# Altium PCB STM32F407开发板.PcbDoc (part 1 of 3) (continued)
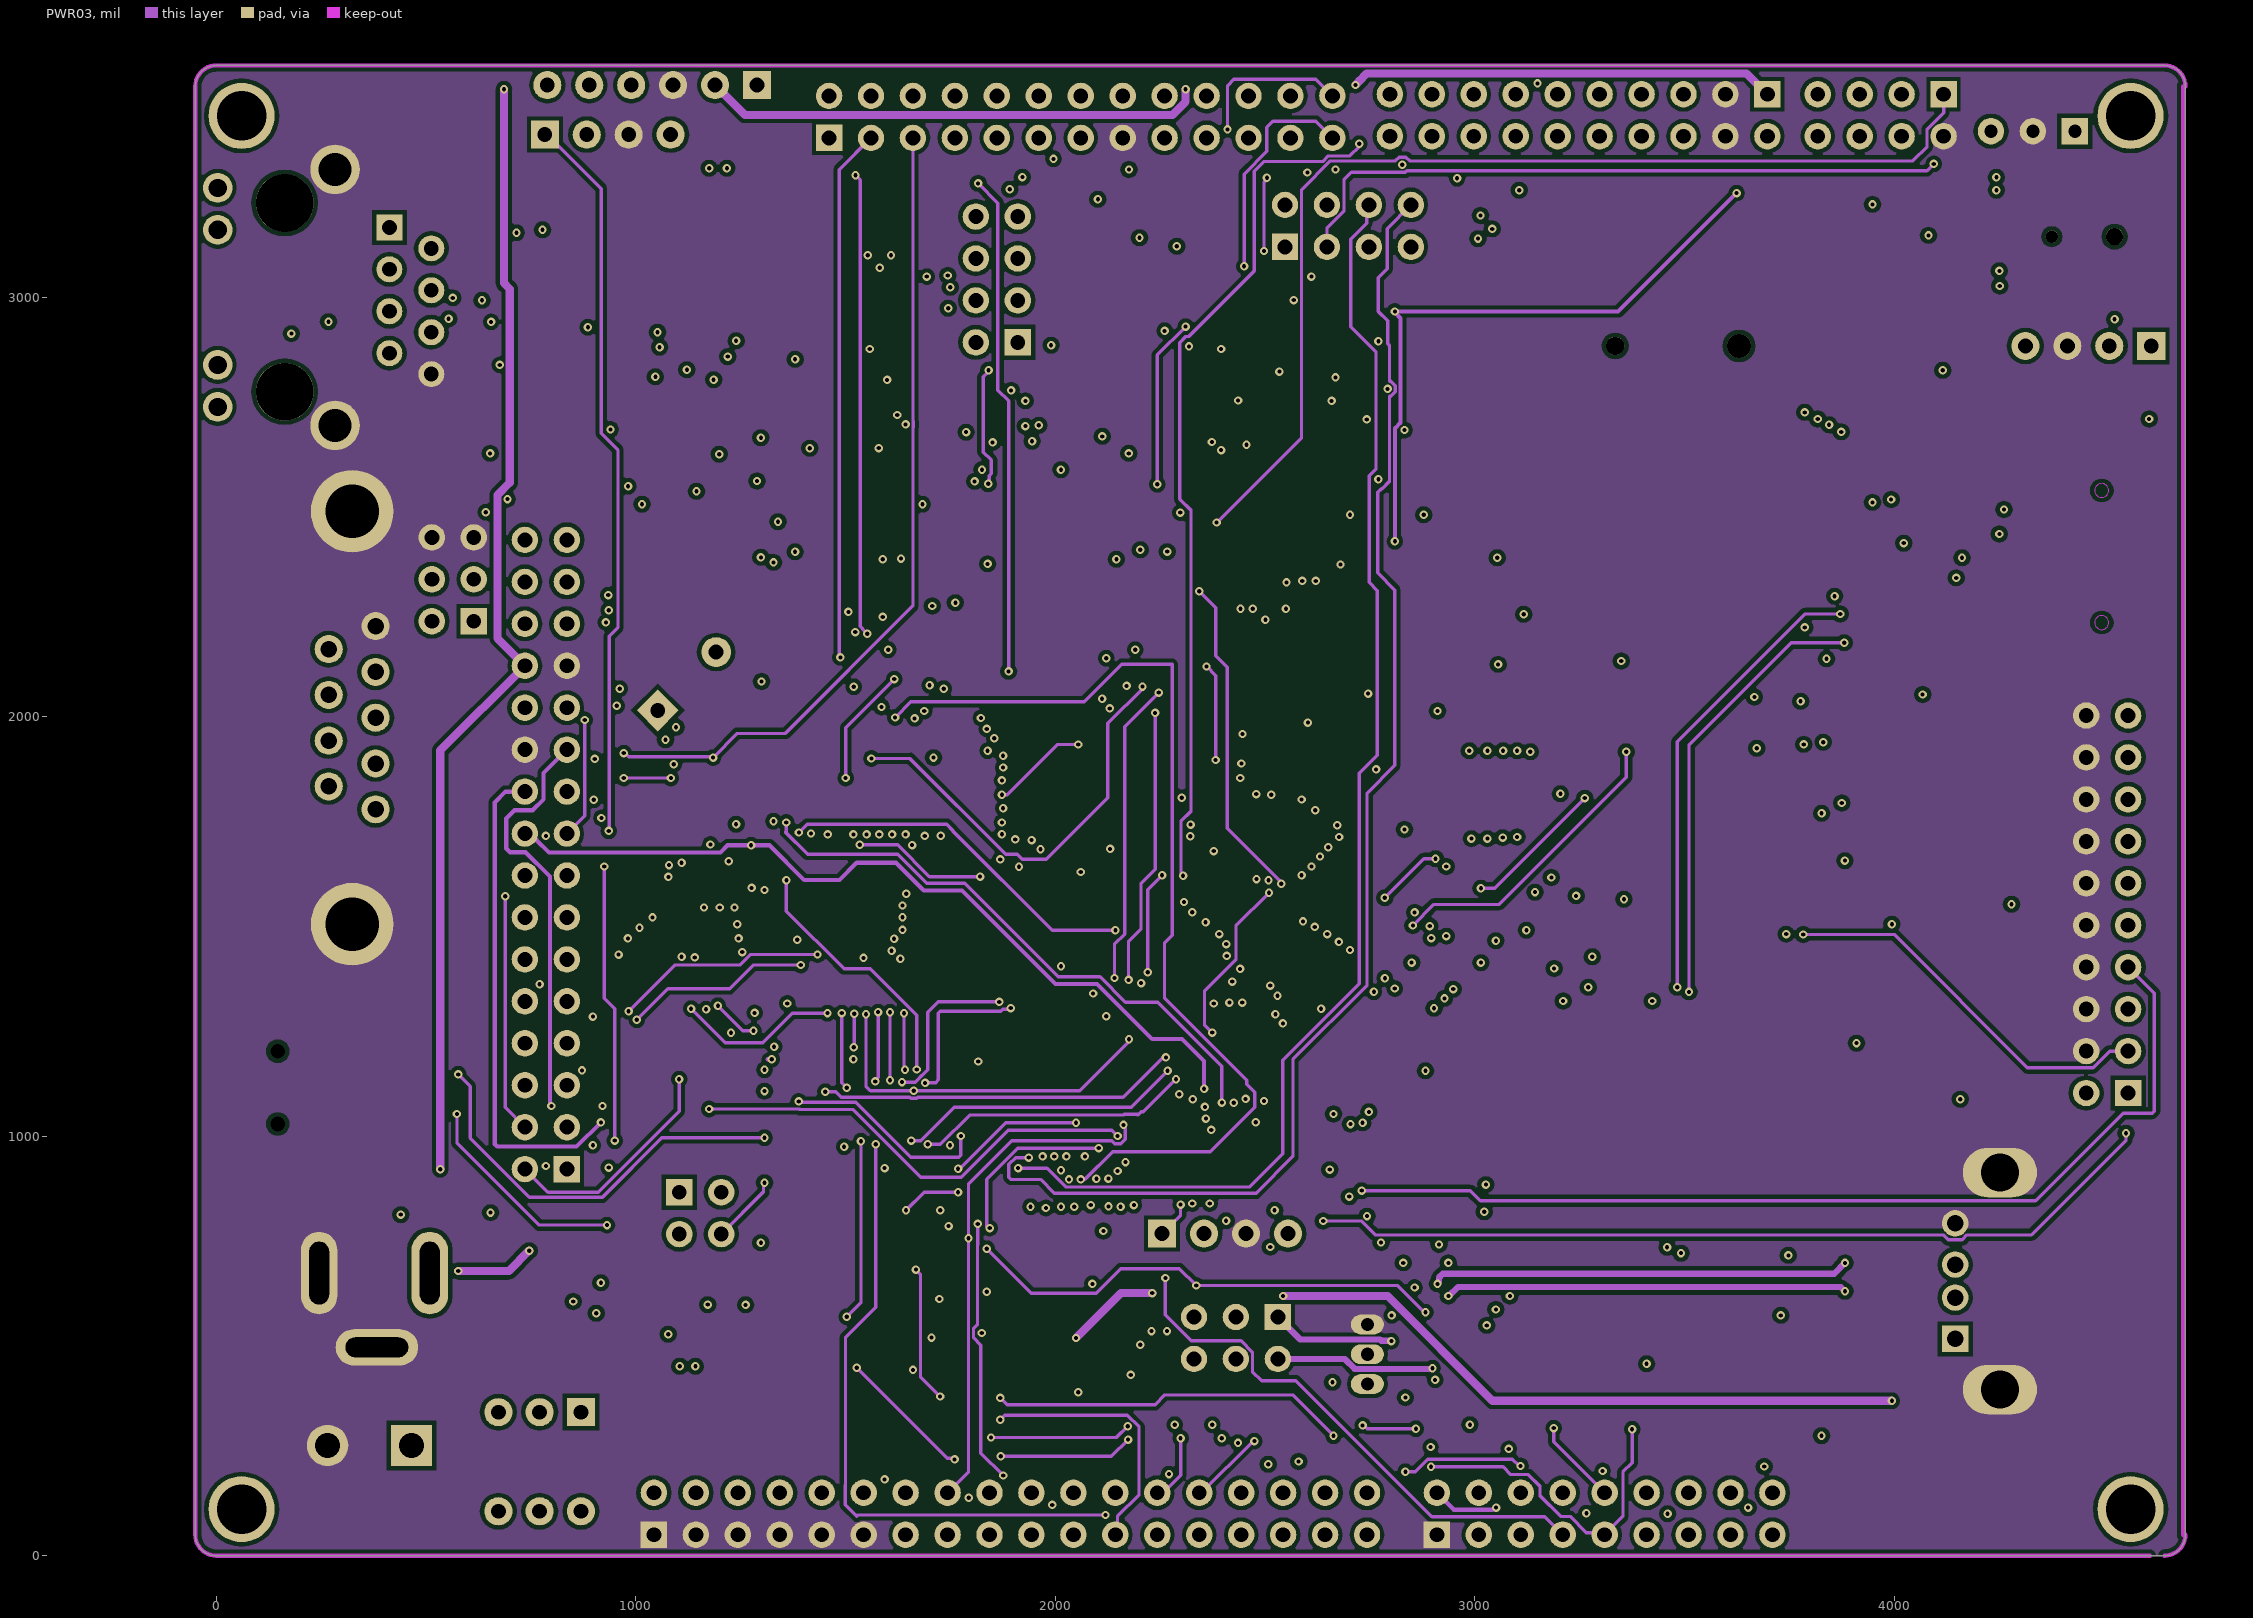
[diagram p3: PWR03]

## Layer stack, top to bottom
Top Solder: solder mask 0.4, Solder Resist, Dk 3.5
Top Layer: signal copper 1.4
Dielectric1: core 10, FR-4, Dk 4.2
GND02: plane copper 1.417, net (Multiple Nets)
Dielectric6: prepreg 5, Dk 4.2
PWR03: signal copper 1.378
Dielectric2: core 10, Dk 4.2
Bottom Layer: signal copper 1.4
Bottom Solder: solder mask 0.4, Solder Resist, Dk 3.5

## Board outline
-50,50 -50,3502.76 cw(c0,3502.76) 0,3552.76 4644.49,3552.76 cw(c4644.49,3502.76) 4694.49,3502.76 4694.49,50 cw(c4644.49,50) 4644.49,0 0,0 cw(c0,50)

## Design rules (kind name [scope] priority, off if disabled: settings)
Clearance Clearance_Inpoly [InPolygon] p1: gap=10 ignorepadtopadclearanceinfootprint=FALSE except(0: Arc-Hole Track-Hole SMDPad-Hole THPad-Hole Via-Hole Fill-Hole Poly-Hole Region-Hole Text-Hole)
Clearance [All] p2: gap=8 ignorepadtopadclearanceinfootprint=FALSE except(0: Arc-Hole Track-Hole SMDPad-Hole THPad-Hole Via-Hole Fill-Hole Poly-Hole Region-Hole Text-Hole; 3.94: Arc-Arc Arc-Track Arc-SMDPad Arc-THPad Arc-Via Arc-Fill Arc-Poly Arc-Region Track-Track Track-SMDPad Track-THPad Track-Via Track-Fill Track-Poly Track-Region)
ComponentClearance [All] p1: gap=10 collisioncheckmode=3 verticalgap=0 showdistances=FALSE
DiffPairsRouting DiffPair_90OMDiffPairsRouting [InDifferentialPairClass('90OM')] p1: maxlimit=10 minlimit=10 mostfreqgap=10 toplayer_minwidth=15 toplayer_maxwidth=15 toplayer_prefwidth=15 midlayer1_minwidth=15 midlayer1_maxwidth=15 midlayer1_prefwidth=15 bottomlayer_minwidth=15 bottomlayer_maxwidth=15 bottomlayer_prefwidth=15 maxuncoupledlength=500
MatchedLengths DiffPair_90OMMatchedLengths [InDifferentialPairClass('90OM')] p1: tolerance=1000 checknetsindiffpair=FALSE checkdiffpairvsdiffpair=TRUE checkxsignals=TRUE checkothers=TRUE usedelayunits=FALSE
PlaneClearance [All] p1: clearance=10
PlaneConnect [All] p1: planeconnectstyle=Direct reliefexpansion=20 reliefentries=4 reliefconductorwidth=10 reliefairgap=10
PolygonConnect [All] p1: connectstyle=Direct reliefconductorwidth=10 reliefentries=4 polygonreliefangle="90 Angle" airgapwidth=10
RoutingVias [All] p1: holewidth=10 width=20 viastyle="Through Hole" minholewidth=10 minwidth=20 maxholewidth=12 maxwidth=25
SilkToSilkClearance [All] p1: silktosilkclearance=0
SilkToSolderMaskClearance [IsPad] p1: minsilkscreentomaskgap=0 clearancetoexposedcopper=TRUE
SolderMaskExpansion [All] p1: expansion=4
Width Width_PWR [InNetClass('PWR')] p1: maxlimit=50 minlimit=3.94 preferedwidth=10
Width [All] p2: maxlimit=100 minlimit=3.94 preferedwidth=8
24 further rules are at their usual default settings.

## Classes and differential pairs
component class STM32F407开发板1: C1 C2 C3 C4 C5 C6 C7 C8 C9 C10 C11 C12 C13 C14 C15 C16 CR1 J1 JP1 R1 R2 R3 R4 R5 R6 R7 R8 R9 R10 R11 R12 U1 VD1 VD2 X1 X2
component class STM32F407开发板2: C17 C18 C19 C20 C21 C22 C23 C24 C25 C26 C27 C28 C29 C30 C31 C32 C33 C34 C35 C36 C37 C38 C39 C40 C41 C42 C43 C44 C45 C46 C47 C48 C49 C50 C51 C52 CON1 DZ1 E1 E2 F1 F2 IC1 IC2 IC3 J2 J3 J4 JP2 L1 L2 L3 LED1 R13 R14 R15 R16 R17 R18 R19 R20 R21 R22 R23 R24 R25 R26 R27 R28 R29 R30 R31 R32 R33 R34 R35 R36 R37 R38 R39 R40 R41 R42 R43 R44 R45 R46 R47 R48 S1 U2 U3 U4 U5 U6 USB1 V1 VD3 VD4 Y1
component class STM32F407开发板3: C53 C54 C55 C56 C57 C58 IC4 J5 J6 JP3 JP4 JP5 JP6 JP7 JP8 JP9 JP10 JP11 JP12 JP13 JP14 JP15 K1 LED2 LED3 LED4 P1 Q1 R49 R50 R51 R52 R53 R54 R55 R56 R57 R58 R59 R60 R61 R62 R63 R64 R65 R66 U7
net class PWR: GND VBAT VCC3.3 VCC3.3E VCC5 VDDA
differential pair class 90OM: D_HS_D D_USB_D D_USB_D1 D_USB_HS_D

## Components (designator, comment, footprint, x,y, rotation, side; value= is the part's Value field where it differs from the comment)
B1 "BEEP" "BEEP 5x9x5.5" 1122.28,2084.59 r135 bottom
C1 "6P" "C 0603" 2323.88,2384.07 r270 bottom
C2 "6P" "C 0603" 2336.26,2216.04 r270 bottom
C3 "20P" "C 0603" 2461,2561 r270 bottom
C4 "20P" "C 0603" 2881.75,2648.69 r270 bottom
C5 "225" "C 0603" 1420.03,1178.08 r0 top
C6 "225" "C 0603" 4147.01,1355.51 r135 bottom
C7 "106" "C 0603" 2230.5,2271.9 r180 top
C8 "104" "C 0603" 2215.31,2201.89 r180 top
C9 "104" "C 0603" 2942.08,2468.49 r225 bottom
C10 "104" "C 0603" 3910.98,1053.33 r90 top
C11 "104" "C 0603" 1754.11,2390.87 r315 bottom
C12 "104" "C 0603" 2940.67,2182.15 r225 bottom
C13 "104" "C 0603" 2962.94,2620.69 r270 bottom
C14 "104" "C 0603" 2926.89,2326.02 r45 bottom
C15 "104" "C 0603" 4102,1514 r180 top
C16 "104" "C 0603" 4075,3100 r180 top
C17 "104" "C 0603" 4259,1034 r0 top
C18 "103" "C 0603" 1014.52,569.5 r0 bottom
C19 "104" "C 0603" 3988,436.82 r0 top
C20 "104" "C 0603" 1215.57,289 r0 top
C21 "106" "C 0603" 1218.08,392.4 r0 top
C22 "104" "C 0603" 4051,1053.33 r90 top
C23 "104" "C 0603" 4357.4,213.75 r0 top
C24 "104" "C 0603" 4121.01,1056.33 r90 top
C25 "104" "C 0603" 3559.93,1049.33 r90 top
C26 "104" "C 0603" 1422.99,1932.95 r180 top
C27 "106" "C 0603" 3629.94,1048.33 r270 top
C28 "104" "C 0603" 3700.95,1047.33 r270 top
C29 "104" "C 0603" 3770.96,1051.33 r270 top
C30 "104" "C 0603" 3840.97,1049.33 r270 top
C31 "106" "C 0603" 1567.99,3154.06 r180 top
C32 "104" "C 0603" 1569.1,3230 r180 top
C33 "104" "C 0603" 1457.99,886.31 r90 bottom
C34 "104" "C 0603" 1382.22,893.8 r270 bottom
C35 "104" "C 0603" 2088.76,328.5 r180 bottom
C36 "104" "C 0603" 1414,772.05 r180 top
C37 "104" "C 0603" 1404.72,344 r180 top
C38 "104" "C 0603" 1417.49,2353.72 r0 top
C39 "104" "C 0603" 1419.99,2283.71 r0 top
C40 "104" "C 0603" 1423.99,2213.7 r0 top
C41 "104" "C 0603" 1417.18,2143.69 r0 top
C42 "104" "C 0603" 1410.22,698.31 r0 top
C43 "104" "C 0603" 1652.93,2623 r270 top
C44 "106" "C 0603" 1734.55,2623 r270 top
C45 "104" "C 0603" 1410.22,613 r180 top
C46 "104" "C 0603" 1417.99,2073.68 r0 top
C47 "106" "C 0603" 1420.14,2003.67 r0 top
C48 "106" "C 0603" 1197.87,2487.01 r0 top
C49 "104" "C 0603" 1194.87,2413.01 r0 top
C50 "104" "C 0603" 1194.87,2336.5 r0 top
C51 "104" "C 0603" 1191.88,2256.01 r0 top
C52 "104" "C 0603" 1413.72,488 r0 top
C53 "104" "C 0603" 589,3496.79 r0 top
C54 "104" "C 0603" 2171,1629.89 r0 bottom
C55 "104" "C 0603" 3980.99,1051.33 r270 top
C56 "104" "C 0603" 2596.76,1736.33 r0 bottom
C57 "104" "C 0603" 2802,2318 r270 top
C58 "104" "C 0603" 4005.63,520.62 r180 top
CON1 "3.5*1.3" DC_5.5MM -50,851 r0 top
CR1 "Battery" CR1220_A 3477,2884 r0 top
DZ1 "5.0V" "MINI_MELF (LL34)" 686,705.72 r90 bottom
E1 "220uF/16V" "CM D(6.3*7.7)" 4071.9,187.95 r0 top
E2 "10UF/16V" "C 1206" 4246,1190.02 r180 top
F1 "1A" "L 1206" 627.11,238.02 r0 bottom
F2 "1A" "L 1206" 502,1262 r180 top
IC1 "W25Qxx" SOP8W_L 3858.09,1724 r90 top
IC2 "24Cxx" SOP8_L 3704.99,540.31 r90 top
IC3 "MAX232" SOP16_L 1687,531 r0 top
IC4 "DS18B20" TO92A 2744.33,480.31 r180 top
J1 "JATG" HDR-10X2 4558,1103 r90 top
J2 "TFTLCD" HDR-16X2 836,921.58 r90 top
J3 "RJ45" HR911105A 258.1,2999.84 r270 top
J4 "DB9" DB9/P_A 380,1997.69 r90 top
J5 "SDCARD-M" "Micro TF/SD" 4081.75,2504 r90 top
J6 "USB" USB-A/S_A 4145.64,654.6 r0 top
JP1 "Header3X2" HDR-3X2 614,2227.7 r90 top
JP2 "HDR-1X2" KF301-2P 465.59,262.94 r180 top
JP3 "Header 4X2" HDR-4X2 1911,2892.5 r90 top
JP4 "Header 2X11" HDR-13X2 1461,3380 r0 top
JP5 "HDR-1X4" HDR-1X4 4613,2884 r180 top
JP6 "Header2X2" HDR-2X2 1104,866.59 r270 top
JP7 "HDR-1X4" HDR-1X4 2255,767.82 r0 top
JP8 "Header 4X2" HDR-4X2 4118,3484 r180 top
JP9 "HDR-1X4" HDR-1X4 783.34,3387.85 r0 top
JP10 "HDR-1X6" HDR-1X6 1289.31,3505.73 r180 top
JP11 "Header 2X10" HDR-10X2 3698,3484 r180 top
JP12 "Header 4X2" HDR-4X2 2548,3120.22 r0 top
JP13 "Header 9X2" HDR-9X2 2910,50 r0 top
JP14 "Header 2X11" HDR-18X2 1043.51,50 r0 top
JP15 "Header3X2" HDR-3X2 2531,569 r180 top
K1 "5向按键" 五向按键 4396,3004 r90 top
L1 "4.7uH" "L 0603" 1024.5,482.67 r180 bottom
L2 "10uH" "L 0603" 1722.59,2334.96 r0 top
L3 "100uH" "L 0603" 1576.99,2449.49 r270 top
LED1 "红色" "LED 0603R" 3807.34,1290.92 r0 top
LED2 "红色" "LED 0603R" 3082.47,2182.04 r180 top
LED3 "红色" "LED 0603R" 3354.5,2047 r0 bottom
LED4 "红色" "LED 0603R" 3117,1328.5 r270 top
P1 "HS0038" VS1838B-A 4331,3396 r180 top
Q1 "SS8050" SOT23-3L 2034.71,2229.24 r180 top
R1 "1M" "R 0603" 2452,2346.45 r90 bottom
R2 "10R" "R 0603" 2233.31,2341.91 r0 top
R3 "0R" "R 0603" 3273.6,1719.22 r225 bottom
R4 "0R" "R 0603" 3034,1661.71 r0 bottom
R5 "10K" "R 0603" 4253.19,1104.01 r0 top
R6 "10K" "R 0603" 4289,1513 r0 top
R7 "10K" "R 0603" 3141,367 r180 top
R8 "10K" "R 0603" 4328,1361.17 r0 top
R9 "100K" "R 0603" 560,2521.64 r180 top
R10 "100K" "R 0603" 561.01,2591.66 r0 top
R11 "10K" "R 0603" 3867.35,2053 r270 top
R12 "10K" "R 0603" 4362,1339 r90 bottom
R13 "9.53K" "R 0603" 771,613 r180 top
R14 "100K" "R 0603" 1038,378 r180 top
R15 "49.9K" "R 0603" 836.13,701 r180 bottom
R16 "510R" "R 0603" 3809.84,1221.92 r0 top
R17 "4.7K" "R 0603" 3634.5,781.57 r0 top
R18 "4.7K" "R 0603" 3634.5,851.58 r0 top
R19 "10R" "R 0603" 432.5,1139.62 r180 top
R20 "10R" "R 0603" 430.59,1065.99 r180 top
R21 "360R" "R 0603" 2391,3244 r0 top
R22 "360R" "R 0603" 2201.01,3104.28 r0 top
R23 "120R" "R 0603" 2200,3184.68 r180 top
R24 "49.9R" "R 0603" 777.91,2884.52 r0 top
R25 "49.9R" "R 0603" 777.91,2954.53 r0 top
R26 "49.9R" "R 0603" 777.91,3024.54 r0 top
R27 "49.9R" "R 0603" 777.9,3098.63 r0 top
R28 "33R" "R 0603" 1339.31,3185.56 r90 top
R29 "33R" "R 0603" 1262.06,3189.06 r90 top
R30 "470R" "R 0603" 121,2922.08 r270 bottom
R31 "33R" "R 0603" 1192.05,3186.1 r90 top
R32 "2.2K" "R 0603" 1122.04,3186.11 r90 top
R33 "10K" "R 0603" 2586.08,1178.35 r90 bottom
R34 "2.2K" "R 0603" 1052.03,3185.56 r90 top
R35 "470R" "R 0603" 248,3050 r270 bottom
R36 "33R" "R 0603" 1464.94,2964.41 r0 top
R37 "120R" "R 0603" 2013.99,731 r180 top
R38 "33R" "R 0603" 1467.45,3044.39 r0 top
R39 "33R" "R 0603" 1471,2891.65 r0 top
R40 "2.2K" "R 0603" 778,2737.69 r180 top
R41 "2.2K" "R 0603" 777.9,2811.51 r180 top
R42 "2.2K" "R 0603" 1470,2818.99 r180 top
R43 "2.2K" "R 0603" 1207.99,2590.95 r0 top
R44 "2.2K" "R 0603" 1351,2513.63 r0 top
R45 "2.2K" "R 0603" 1063.97,2589 r180 top
R46 "2.2K" "R 0603" 921.97,2588.65 r0 top
R47 "2.2K" "R 0603" 982.02,3186.11 r90 top
R48 "4.87K" "R 0603" 778,2662.52 r180 top
R49 "1K" "R 0603" 2079.89,2419.21 r270 top
R50 "4.7K" "R 0603" 3708.84,1985 r0 top
R51 "4.7K" "R 0603" 2730.7,245.48 r180 top
R52 "10K" "R 0603" 2008.88,2421.77 r270 top
R53 "47K" "R 0603" 3977,2097 r0 bottom
R54 "47K" "R 0603" 3210,257.09 r180 top
R55 "10K" "R 0603" 1996,3285 r0 bottom
R56 "47K" "R 0603" 3947.99,2321.64 r180 top
R57 "10K" "R 0603" 4042,3198 r180 top
R58 "47K" "R 0603" 4353.4,2413 r270 bottom
R59 "10K" "R 0603" 3917,3275 r180 top
R60 "47K" "R 0603" 2419,1156 r180 bottom
R61 "120R" "R 0603" 2546,2903 r90 top
R62 "510R" "R 0603" 3082.46,2311.45 r0 top
R63 "510R" "R 0603" 3357,1965.32 r180 bottom
R64 "10R" "R 0603" 3959,632 r180 top
R65 "510R" "R 0603" 3232,1474.68 r90 top
R66 "10R" "R 0603" 3959,698 r180 top
S1 "SK-22D02" "KFT DIP-8X8" 771,224 r270 top
U1 "STM32F407ZGT6" "TQFP144 20x20_L" 2418.19,1477.2 r135 top
U2 "MP2359" MP2359 1171.65,565.5 r180 top
U3 "IS62WV51216" IS62WV51216 1314.24,1582.29 r90 top
U4 "MAX485" MAX485 2333.3,2909 r270 top
U5 "DP83848IV" "LQFP48 7X7_L" 1140.02,2862.04 r180 top
U6 "TJA1050" TJA1050 2018.68,522 r180 top
U7 "TJA1050" TJA1050 2786,2917.5 r180 top
USB1 "USB-5P" USB-MINI-A 146.66,1116 r180 top
V1 "AMS1117-3V3" SOT223_L 242.05,681.52 r90 bottom
VD1 "1N4148" "MINI_MELF (LL34)" 4095,2890 r180 top
VD2 "1N4148" "MINI_MELF (LL34)" 4075,2977 r0 top
VD3 "SS14" SOD-123 836.5,506 r0 top
VD4 "SS14" SOD-123 1022,555.5 r90 top
X1 "32.768K" XTAL-4S8 2117.95,2277.58 r270 bottom
X2 "8M" "XTAL-49S SMD" 2629,2378.99 r90 bottom
Y1 "XTAL" XTAL-5032 1480.92,2640.58 r180 top

## Footprints (in the part's own frame and the unit in brackets; to place one, negate y for a bottom-side part, rotate by r counter-clockwise, add the part's x,y. Pads: shape width x height; smd on the part's side, far side on the other; paste and mask are expansions set on the pad)
"BEEP 5x9x5.5" [mm] "5*9*5.5mm(脚距,直径,高度)"
  rect 1.8x1.8 hole 0.9: 1(0,-2.5)
  round 1.8 hole 0.9: 2(0,2.5)
  silkscreen extent -4.58,-4.47 4.62,4.73, body extent -4.5,-5.57 4.5,4.5, height 5.55
"C 0603" [mil] "无极性贴片电容"
  rect 35x35 smd: 1(-35,0) 2(34,0)
  silkscreen extent -63,-26 62,26, body extent -31,-16 31,16, height 32
"C 1206" [mil] "无极性贴片电容"
  rect 60x60 smd: 1(-65,0) 2(65,0)
  silkscreen extent -107,-42 107,42, body extent -63,-32 63,32, height 48
"CM D(6.3*7.7)" [mm] "贴片电解电容，直径6.3mm，高7.7mm"
  rect 2.7x1 smd: 1(3,0)
  oval 2.7x1 smd: 2(-3,0)
  silkscreen extent -3.3,-3.3 3.3,3.3, body extent -3.5,-3.3 3.5,3.3, height 7.7
CR1220_A [mm] "纽扣电池座"
  round 1.1 hole 1.1: 0(-3.6,0)
  round 1.45 hole 1.45: 0(3.9,0)
  rect 4x2.5 smd: DC+(9.652,0) DC-(-8.458,0)
  silkscreen extent -7.5,-7.5 10.16,7.5, body extent -9.42,-7.45 10.34,7.45, height 4.05
DB9/P_A [mm] "9针公头串口,31*18.5*12.5mm"
  round 1.7 hole 1: 1(-5.546,0) 2(-2.773,0) 3(0,0) 4(2.773,0) 5(5.546,0) 6(-4.155,2.84) 7(-1.385,2.84) 8(1.385,2.84) 9(4.155,2.84)
  round 5 hole 3.25: 10(-12.5,1.42) 11(12.5,1.42)
  silkscreen extent -15.4,-1.52 15.4,17.53, body extent -15.45,-1.25 15.45,17.25, height 12.65
DC_5.5MM [mm]
  oval 2.2x5 hole 1.2 slot 3.8 at 90 deg: 1(14.2,-4.5) 2(7.5,-4.5)
  oval 5x2.2 hole 1.2 slot 3.8 at 0 deg: 3(11,-9)
  silkscreen extent 0,-9 14.2,0, body extent -0.1,-8.88 14.1,-0.12, height 10.82
HDR-1X4 [mm] "排针，4脚"
  rect 1.7x1.7 hole 0.9: 1(0,0)
  round 1.7 hole 0.9: 2(2.54,0) 3(5.08,0) 4(7.62,0)
  silkscreen extent -1.27,-1.27 8.89,1.27, body extent -1.27,-1.27 8.89,1.27, height 8.5
HDR-1X6 [mm] "排针，6脚"
  rect 1.7x1.7 hole 0.9: 1(0,0)
  round 1.7 hole 0.9: 2(2.54,0) 3(5.08,0) 4(7.62,0) 5(10.16,0) 6(12.7,0)
  silkscreen extent -1.27,-1.27 13.97,1.27, body extent -1.27,-1.27 13.97,1.27, height 8.5
HDR-2X2 [mm] "双排排针，2x2脚"
  rect 1.6x1.6 hole 0.9: 1(0,0)
  round 1.6 hole 0.9: 2(0,2.54) 3(2.54,0) 4(2.54,2.54)
  silkscreen extent -1.27,-1.27 3.81,3.81, body extent -1.27,-1.27 3.81,3.81, height 8.5
HDR-3X2 [mm] "双排排针，3x2脚"
  rect 1.6x1.6 hole 0.9: 1(0,0)
  round 1.6 hole 0.9: 2(0,2.54) 3(2.54,0) 4(2.54,2.54) 5(5.08,0) 6(5.08,2.54)
  silkscreen extent -1.27,-1.27 6.35,3.81, body extent -1.27,-1.27 6.35,3.81, height 8.5
HDR-4X2 [mm] "双排排针，4x2脚"
  rect 1.6x1.6 hole 0.9: 1(0,0)
  round 1.6 hole 0.9: 2(0,2.54) 3(2.54,0) 4(2.54,2.54) 5(5.08,0) 6(5.08,2.54) 7(7.62,0) 8(7.62,2.54)
  silkscreen extent -1.27,-1.27 8.89,3.81, body extent -1.27,-1.27 8.89,3.81, height 8.5
HDR-9X2 [mm] "双排排针，9x2脚"
  rect 1.6x1.6 hole 0.9: 1(0,0)
  round 1.6 hole 0.9: 2(0,2.54) 3(2.54,0) 4(2.54,2.54) 5(5.08,0) 6(5.08,2.54) 7(7.62,0) 8(7.62,2.54) 9(10.16,0) 10(10.16,2.54) 11(12.7,0) 12(12.7,2.54) 13(15.24,0) 14(15.24,2.54) 15(17.78,0) 16(17.78,2.54) 17(20.32,0) 18(20.32,2.54)
  silkscreen extent -1.27,-1.27 21.59,3.81, body extent -1.27,-1.27 21.59,3.81, height 8.5
HDR-10X2 [mm] "双排排针，10x2脚"
  rect 1.6x1.6 hole 0.9: 1(0,0)
  round 1.6 hole 0.9: 2(0,2.54) 3(2.54,0) 4(2.54,2.54) 5(5.08,0) 6(5.08,2.54) 7(7.62,0) 8(7.62,2.54) 9(10.16,0) 10(10.16,2.54) 11(12.7,0) 12(12.7,2.54) 13(15.24,0) 14(15.24,2.54) 15(17.78,0) 16(17.78,2.54) 17(20.32,0) 18(20.32,2.54) 19(22.86,0) 20(22.86,2.54)
  silkscreen extent -1.27,-1.27 24.13,3.81, body extent -1.27,-1.27 24.13,3.81, height 8.5
HDR-13X2 [mm] "双排排针，13x2脚"
  rect 1.6x1.6 hole 0.9: 1(0,0)
  round 1.6 hole 0.9: 2(0,2.54) 3(2.54,0) 4(2.54,2.54) 5(5.08,0) 6(5.08,2.54) 7(7.62,0) 8(7.62,2.54) 9(10.16,0) 10(10.16,2.54) 11(12.7,0) 12(12.7,2.54) 13(15.24,0) 14(15.24,2.54) 15(17.78,0) 16(17.78,2.54) 17(20.32,0) 18(20.32,2.54) 19(22.86,0) 20(22.86,2.54) 21(25.4,0) 22(25.4,2.54) 23(27.94,0) 24(27.94,2.54) 25(30.48,0) 26(30.48,2.54)
  silkscreen extent -1.27,-1.27 31.75,3.81, body extent -1.27,-1.27 31.75,3.81, height 8.5
HDR-16X2 [mm] "双排排针，16x2脚"
  rect 1.6x1.6 hole 0.9: 1(0,0)
  round 1.6 hole 0.9: 2(0,2.54) 3(2.54,0) 4(2.54,2.54) 5(5.08,0) 6(5.08,2.54) 7(7.62,0) 8(7.62,2.54) 9(10.16,0) 10(10.16,2.54) 11(12.7,0) 12(12.7,2.54) 13(15.24,0) 14(15.24,2.54) 15(17.78,0) 16(17.78,2.54) 17(20.32,0) 18(20.32,2.54) 19(22.86,0) 20(22.86,2.54) 21(25.4,0) 22(25.4,2.54) 23(27.94,0) 24(27.94,2.54) 25(30.48,0) 26(30.48,2.54) 27(33.02,0) 28(33.02,2.54) 29(35.56,0) 30(35.56,2.54) 31(38.1,0) 32(38.1,2.54)
  silkscreen extent -1.27,-1.27 39.37,3.81, body extent -1.27,-1.27 39.37,3.81, height 8.5
HDR-18X2 [mm] "双排排针，18x2脚"
  rect 1.6x1.6 hole 0.9: 1(0,0)
  round 1.6 hole 0.9: 2(0,2.54) 3(2.54,0) 4(2.54,2.54) 5(5.08,0) 6(5.08,2.54) 7(7.62,0) 8(7.62,2.54) 9(10.16,0) 10(10.16,2.54) 11(12.7,0) 12(12.7,2.54) 13(15.24,0) 14(15.24,2.54) 15(17.78,0) 16(17.78,2.54) 17(20.32,0) 18(20.32,2.54) 19(22.86,0) 20(22.86,2.54) 21(25.4,0) 22(25.4,2.54) 23(27.94,0) 24(27.94,2.54) 25(30.48,0) 26(30.48,2.54) 27(33.02,0) 28(33.02,2.54) 29(35.56,0) 30(35.56,2.54) 31(38.1,0) 32(38.1,2.54) 33(40.64,0) 34(40.64,2.54) 35(43.18,0) 36(43.18,2.54)
  silkscreen extent -1.27,-1.27 44.45,3.81, body extent -1.27,-1.27 44.45,3.81, height 8.5
HR911105A [mm]
  round 3.5 hole 3.5: 0(-5.715,-2.408) 0(5.715,-2.408)
  rect 1.575x1.575 hole 0.9: 1(-4.239,3.928)
  round 1.575 hole 0.9: 2(-2.969,6.468) 3(-1.699,3.928) 4(-0.429,6.468) 5(0.841,3.928) 6(2.111,6.468) 7(3.381,3.928) 8(4.651,6.468)
  round 1.8 hole 1.1: 9(-6.63,-6.468) 10(-4.09,-6.468) 11(4.09,-6.468) 12(6.63,-6.468)
  round 3 hole 2: 13(7.75,0.642) 14(-7.75,0.642)
  silkscreen extent -7.84,-12.58 8.13,8.93, body extent -7.82,-12.45 8.18,8.85, height 13.02
IS62WV51216 [mm]
  rect 1.55x0.55 smd: 1(-5.6,8.4) 2(-5.6,7.6) 3(-5.6,6.8) 4(-5.6,6) 5(-5.6,5.2) 6(-5.6,4.4) 7(-5.6,3.6) 8(-5.6,2.8) 9(-5.6,2) 10(-5.6,1.2) 11(-5.6,0.4) 12(-5.6,-0.4) 13(-5.6,-1.2) 14(-5.6,-2) 15(-5.6,-2.8) 16(-5.6,-3.6) 17(-5.6,-4.4) 18(-5.6,-5.2) 19(-5.6,-6) 20(-5.6,-6.8) 21(-5.6,-7.6) 22(-5.6,-8.4) 23(5.6,-8.4) 24(5.6,-7.6) 25(5.6,-6.8) 26(5.6,-6) 27(5.6,-5.2) 28(5.6,-4.4) 29(5.6,-3.6) 30(5.6,-2.8) 31(5.6,-2) 32(5.6,-1.2) 33(5.6,-0.4) 34(5.6,0.4) 35(5.6,1.2) 36(5.6,2) 37(5.6,2.8) 38(5.6,3.6) 39(5.6,4.4) 40(5.6,5.2) 41(5.6,6) 42(5.6,6.8) 43(5.6,7.6) 44(5.6,8.4)
  silkscreen extent -5.72,-9.25 4.43,9.35, body extent -5.14,-9.26 5.15,9.26, height 1.2
KF301-2P [mm] "可拼接端子/6A"
  rect 2.5x2.5 hole 1.5: 1(0,0)
  round 2.5 hole 1.5: 2(5.08,0)
  silkscreen extent -3.05,-3.05 7.62,4.57, body extent -2.87,-3 7.63,4.6, height 10.05
"KFT DIP-8X8" [mm] "8*8mm开关"
  rect 1.7x1.7 hole 0.9: 1(-3,2.5)
  round 1.7 hole 0.9: 2(-3,0) 3(-3,-2.5) 4(3,-2.5) 5(3,0) 6(3,2.5)
  silkscreen extent -4.06,-4.06 4.15,4.06, body extent -3.95,-4.05 4.05,3.95, height 13.1
"L 0603" [mil] "小功率贴片电感"
  rect 35x35 smd: 1(-35,0) 2(34,0)
  silkscreen extent -63,-26 62,26, body extent -31,-16 31,16, height 31
"L 1206" [mil] "小功率贴片电感"
  rect 60x60 smd: 1(-65,0) 2(65,0)
  silkscreen extent -107,-42 107,42, body extent -63,-31 63,31, height 35
"LED 0603R" [mil] "红色0603LED"
  rect 40x31.5 smd: 1(-36.5,0) 2(36.5,0)
  silkscreen extent -67,-25 78,27, body extent -31,-16 31,16, height 24
"LQFP48 7X7_L" [mm] "48脚，体宽7x7mm，脚距0.5mm"
  oval 0.25x1.55 smd: 1(-2.75,-4.025) 2(-2.25,-4.025) 3(-1.75,-4.025) 4(-1.25,-4.025) 5(-0.75,-4.025) 6(-0.25,-4.025) 7(0.25,-4.025) 8(0.75,-4.025) 9(1.25,-4.025) 10(1.75,-4.025) 11(2.25,-4.025) 12(2.75,-4.025) 25(2.75,4.025) 26(2.25,4.025) 27(1.75,4.025) 28(1.25,4.025) 29(0.75,4.025) 30(0.25,4.025) 31(-0.25,4.025) 32(-0.75,4.025) 33(-1.25,4.025) 34(-1.75,4.025) 35(-2.25,4.025) 36(-2.75,4.025)
  oval 1.55x0.25 smd: 13(4.025,-2.75) 14(4.025,-2.25) 15(4.025,-1.75) 16(4.025,-1.25) 17(4.025,-0.75) 18(4.025,-0.25) 19(4.025,0.25) 20(4.025,0.75) 21(4.025,1.25) 22(4.025,1.75) 23(4.025,2.25) 24(4.025,2.75) 37(-4.025,2.75) 38(-4.025,2.25) 39(-4.025,1.75) 40(-4.025,1.25) 41(-4.025,0.75) 42(-4.025,0.25) 43(-4.025,-0.25) 44(-4.025,-0.75) 45(-4.025,-1.25) 46(-4.025,-1.75) 47(-4.025,-2.25) 48(-4.025,-2.75)
  silkscreen extent -3.68,-4.7 3.05,3.05, body extent -4.5,-4.5 4.5,4.5, height 1.45
MAX485 [mm] "SOIC, 8-Leads, Body 5.0x4.0mm (max), Pitch 1.27mm"
  rect 2.2x0.6 smd: 1(-2.4,1.905) 2(-2.4,0.635) 3(-2.4,-0.635) 4(-2.4,-1.905) 5(2.4,-1.905) 6(2.4,-0.635) 7(2.4,0.635) 8(2.4,1.905)
  silkscreen extent -2.52,-2.5 1.93,2.88, body extent -2,-2.5 2,2.5, height 1.75
"Micro TF/SD" [mm]
  rect 0.7x1.6 smd: 1(0,0) 2(-1.1,0) 3(-2.2,0) 4(-3.3,0) 5(-4.4,0) 6(-5.5,0) 7(-6.6,0) 8(-7.7,0) 9(-8.8,0)
  rect 1.6x1.4 smd: 10(4.73,-0.5)
  rect 1.2x1.4 smd: 11(-9.95,-0.5)